# KiCad board backplane.kicad_pcb (continued)
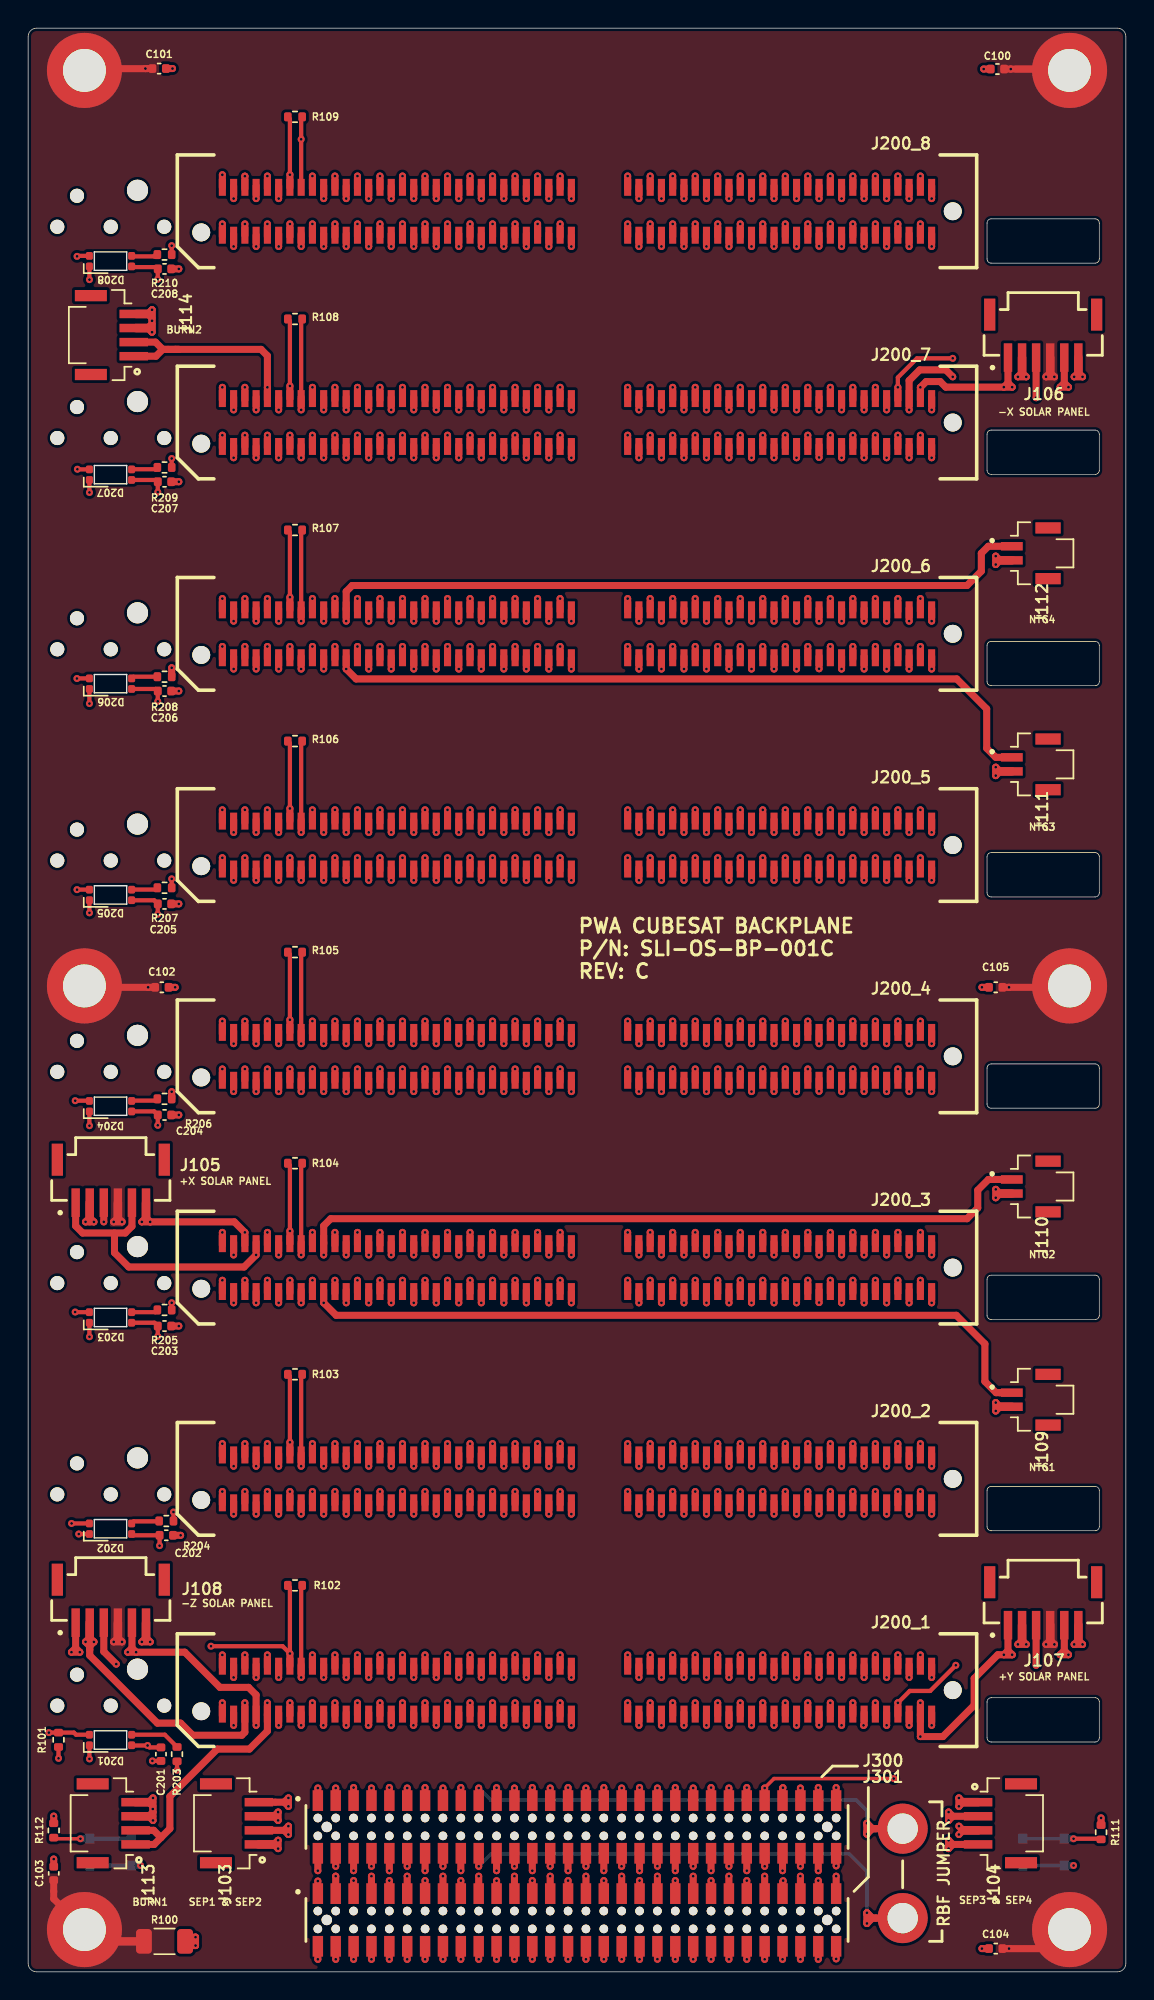
[diagram p0: board, top side]
## Routing (per net, layer and track width the routed paths; a pad name or vN(x,y) marks a point on that pad's centre or on a via; arc(x,y) is an arc through that point) (continued)
/H2-33: length 130.8
  Top w0.5: v1(46.6,17.5) 46.6,18.4 ; J301.37 v1(43.44,6.48) ; v1(46.6,92.5) 46.6,93.4 ; v1(46.6,47.5) 46.6,48.4 ; v1(46.6,62.5) 46.6,63.4 ; v1(46.6,77.5) 46.6,78.4 ; v1(46.6,107.5) 46.6,108.4 ; v1(46.6,122.5) 46.6,123.4 ; v1(46.6,32.5) 46.6,33.4
  In4.Cu w0.25: v1(43.44,6.48) 43.09,6.48 42.81,6.76 42.81,13.71 v1(46.6,17.5)
  In4.Cu w0.5: v1(46.6,17.5) 46.6,19.47 45.8,20.28 45.8,21.3 46.6,22.1 v1(46.6,32.5) 46.6,34.47 45.8,35.28 45.8,36.3 46.6,37.1 46.6,47.5 ; v1(46.6,122.5) 46.6,112.1 45.8,111.3 45.8,110.28 46.6,109.48 v1(46.6,107.5) 46.6,97.1 45.8,96.3 45.8,95.28 46.6,94.48 v1(46.6,92.5) 46.6,82.1 45.8,81.3 45.8,80.28 46.6,79.48 v1(46.6,77.5) 46.6,67.1 45.8,66.3 45.8,65.28 46.6,64.48 v1(46.6,62.5) 46.6,52.1 45.8,51.3 45.8,50.28 46.6,49.48 v1(46.6,47.5)
/H2-34: length 139.6
  Top w0.5: v1(46.6,20.9) 46.6,21.8 ; v1(46.6,50.9) 46.6,51.8 ; v1(46.6,125.9) 46.6,126.8 ; v1(46.6,80.9) 46.6,81.8 ; v1(46.6,35.9) 46.6,36.8 ; J301.38 v1(43.44,0.89) ; v1(46.6,65.9) 46.6,66.8 ; v1(46.6,110.9) 46.6,111.8 ; v1(46.6,95.9) 46.6,96.8
  In2.Cu w0.25: v1(46.6,20.9) 46.6,18.94 46.02,18.36 46.02,17.67 42.81,14.46 42.81,1.52 v1(43.44,0.89)
  In2.Cu w0.5: v1(46.6,125.9) 46.6,123.68 45.8,122.87 45.8,122.3 46.6,121.5 v1(46.6,110.9) ; 46.6,110.9 46.6,108.68 45.8,107.87 45.8,107.3 46.6,106.5 v1(46.6,95.9) 46.6,93.68 45.8,92.87 45.8,92.3 46.6,91.5 v1(46.6,80.9) 46.6,78.68 45.8,77.87 45.8,77.3 46.6,76.5 v1(46.6,65.9) 46.6,63.68 45.8,62.87 45.8,62.3 46.6,61.5 v1(46.6,50.9) 46.6,48.68 45.8,47.87 45.8,47.3 46.6,46.5 v1(46.6,35.9) 46.6,33.68 45.8,32.87 45.8,32.3 46.6,31.5 v1(46.6,20.9)
/H2-35: length 130.9
  Top w0.5: v1(48.2,17.5) 48.2,18.4 ; v1(48.2,92.5) 48.2,93.4 ; v1(48.2,47.5) 48.2,48.4 ; v1(48.2,122.5) 48.2,123.4 ; v1(48.2,32.5) 48.2,33.4 ; v1(48.2,77.5) 48.2,78.4 ; J301.39 44.72,6.79 ; v1(48.2,107.5) 48.2,108.4 ; v1(48.2,62.5) 48.2,63.4
  In4.Cu w0.25: v1(44.71,6.79) 44.36,6.79 44.08,7.07 44.08,13.38 v1(48.2,17.5)
  In4.Cu w0.5: v1(48.2,17.5) 48.2,19.47 47.4,20.28 47.4,21.3 48.2,22.1 v1(48.2,32.5) 48.2,34.47 47.4,35.28 47.4,36.3 48.2,37.1 48.2,47.5 ; v1(48.2,47.5) 48.2,49.48 47.4,50.28 47.4,51.3 48.2,52.1 v1(48.2,62.5) 48.2,64.48 47.4,65.28 47.4,66.3 48.2,67.1 v1(48.2,77.5) 48.2,79.48 47.4,80.28 47.4,81.3 48.2,82.1 v1(48.2,92.5) 48.2,94.48 47.4,95.28 47.4,96.3 48.2,97.1 v1(48.2,107.5) 48.2,109.48 47.4,110.28 47.4,111.3 48.2,112.1 v1(48.2,122.5)
/H2-36: length 139.7
  Top w0.5: v1(48.2,20.9) 48.2,21.8 ; J301.40 v1(44.72,0.9) ; v1(48.2,110.9) 48.2,111.8 ; v1(48.2,95.9) 48.2,96.8 ; v1(48.2,65.9) 48.2,66.8 ; v1(48.2,35.9) 48.2,36.8 ; v1(48.2,125.9) 48.2,126.8 ; v1(48.2,50.9) 48.2,51.8 ; v1(48.2,80.9) 48.2,81.8
  In2.Cu w0.25: v1(48.2,20.9) 48.2,18.94 47.62,18.36 47.62,16.81 44.08,13.27 44.08,1.52 44.72,0.89
  In2.Cu w0.5: v1(48.2,125.9) 48.2,123.68 47.4,122.87 47.4,122.3 48.2,121.5 v1(48.2,110.9) ; 48.2,110.9 48.2,108.68 47.4,107.87 47.4,107.3 48.2,106.5 v1(48.2,95.9) 48.2,93.68 47.4,92.87 47.4,92.3 48.2,91.5 v1(48.2,80.9) 48.2,78.68 47.4,77.87 47.4,77.3 48.2,76.5 v1(48.2,65.9) 48.2,63.68 47.4,62.87 47.4,62.3 48.2,61.5 v1(48.2,50.9) 48.2,48.68 47.4,47.87 47.4,47.3 48.2,46.5 v1(48.2,35.9) 48.2,33.68 47.4,32.87 47.4,32.3 48.2,31.5 v1(48.2,20.9)
/H2-37: length 131.2
  Top w0.5: v1(49.8,17.5) 49.8,18.4 ; J301.41 v1(45.98,6.48) ; v1(49.8,62.5) 49.8,63.4 ; v1(49.8,32.5) 49.8,33.4 ; v1(49.8,107.5) 49.8,108.4 ; v1(49.8,77.5) 49.8,78.4 ; v1(49.8,47.5) 49.8,48.4 ; v1(49.8,122.5) 49.8,123.4 ; v1(49.8,92.5) 49.8,93.4
  In4.Cu w0.25: v1(49.8,17.5) 49.55,17.5 45.35,13.3 45.35,11.05 45.35,11.05 45.35,6.76 45.63,6.48 v1(45.98,6.48)
  In4.Cu w0.5: v1(49.8,17.5) 49.8,19.47 49,20.28 49,21.3 49.8,22.1 v1(49.8,32.5) 49.8,34.47 49,35.28 49,36.3 49.8,37.1 49.8,47.5 ; v1(49.8,47.5) 49.8,49.48 49,50.28 49,51.3 49.8,52.1 v1(49.8,62.5) 49.8,64.48 49,65.28 49,66.3 49.8,67.1 v1(49.8,77.5) 49.8,79.48 49,80.28 49,81.3 49.8,82.1 v1(49.8,92.5) 49.8,94.48 49,95.28 49,96.3 49.8,97.1 v1(49.8,107.5) 49.8,109.48 49,110.28 49,111.3 49.8,112.1 v1(49.8,122.5)
/H2-38: length 139.9
  Top w0.5: v1(49.8,20.9) 49.8,21.8 ; v1(49.8,35.9) 49.8,36.8 ; v1(49.8,95.9) 49.8,96.8 ; v1(49.8,50.9) 49.8,51.8 ; J301.42 v1(45.98,0.89) ; v1(49.8,80.9) 49.8,81.8 ; v1(49.8,125.9) 49.8,126.8 ; v1(49.8,65.9) 49.8,66.8 ; v1(49.8,110.9) 49.8,111.8
  In2.Cu w0.25: v1(49.8,20.9) 49.8,18.94 49.22,18.36 49.22,17.17 45.35,13.3 45.35,1.52 v1(45.98,0.89)
  In2.Cu w0.5: v1(49.8,125.9) 49.8,123.68 49,122.87 49,122.3 49.8,121.5 v1(49.8,110.9) ; 49.8,110.9 49.8,108.68 49,107.87 49,107.3 49.8,106.5 v1(49.8,95.9) 49.8,93.68 49,92.87 49,92.3 49.8,91.5 v1(49.8,80.9) 49.8,78.68 49,77.87 49,77.3 49.8,76.5 v1(49.8,65.9) 49.8,63.68 49,62.87 49,62.3 49.8,61.5 v1(49.8,50.9) 49.8,48.68 49,47.87 49,47.3 49.8,46.5 v1(49.8,35.9) 49.8,33.68 49,32.87 49,32.3 49.8,31.5 v1(49.8,20.9)
/H2-39: length 131.5
  Top w0.5: v1(51.4,17.5) 51.4,18.4 ; v1(51.4,107.5) 51.4,108.4 ; v1(51.4,77.5) 51.4,78.4 ; v1(51.4,47.5) 51.4,48.4 ; v1(51.4,122.5) 51.4,123.4 ; v1(51.4,62.5) 51.4,63.4 ; v1(51.4,92.5) 51.4,93.4 ; J301.43 47.25,6.79 ; v1(51.4,32.5) 51.4,33.4
  In4.Cu w0.25: v1(47.25,6.79) 46.9,6.79 46.62,7.07 46.62,13.27 50.85,17.5 v1(51.4,17.5)
  In4.Cu w0.5: v1(51.4,17.5) 51.4,19.47 50.6,20.28 50.6,21.3 51.4,22.1 v1(51.4,32.5) 51.4,34.47 50.6,35.28 50.6,36.3 51.4,37.1 51.4,47.5 ; v1(51.4,47.5) 51.4,49.48 50.6,50.28 50.6,51.3 51.4,52.1 v1(51.4,62.5) 51.4,64.48 50.6,65.28 50.6,66.3 51.4,67.1 v1(51.4,77.5) 51.4,79.48 50.6,80.28 50.6,81.3 51.4,82.1 v1(51.4,92.5) 51.4,94.48 50.6,95.28 50.6,96.3 51.4,97.1 v1(51.4,107.5) 51.4,109.48 50.6,110.28 50.6,111.3 51.4,112.1 v1(51.4,122.5)
/H2-40: length 140
  Top w0.5: v1(51.4,20.9) 51.4,21.8 ; J301.44 v1(47.25,0.89) ; v1(51.4,65.9) 51.4,66.8 ; v1(51.4,50.9) 51.4,51.8 ; v1(51.4,110.9) 51.4,111.8 ; v1(51.4,95.9) 51.4,96.8 ; v1(51.4,35.9) 51.4,36.8 ; v1(51.4,80.9) 51.4,81.8 ; v1(51.4,125.9) 51.4,126.8
  In2.Cu w0.25: v1(51.4,20.9) 51.4,18.94 50.82,18.36 50.82,17.47 46.62,13.27 46.62,1.52 v1(47.25,0.89)
  In2.Cu w0.5: v1(51.4,125.9) 51.4,123.68 50.6,122.87 50.6,122.3 51.4,121.5 v1(51.4,110.9) ; 51.4,110.9 51.4,108.68 50.6,107.87 50.6,107.3 51.4,106.5 v1(51.4,95.9) 51.4,93.68 50.6,92.87 50.6,92.3 51.4,91.5 v1(51.4,80.9) 51.4,78.68 50.6,77.87 50.6,77.3 51.4,76.5 v1(51.4,65.9) 51.4,63.68 50.6,62.87 50.6,62.3 51.4,61.5 v1(51.4,50.9) 51.4,48.68 50.6,47.87 50.6,47.3 51.4,46.5 v1(51.4,35.9) 51.4,33.68 50.6,32.87 50.6,32.3 51.4,31.5 v1(51.4,20.9)
/H2-41: length 131.9
  Top w0.5: v1(53,17.5) 53,18.4 ; J301.45 v1(48.53,6.48) ; v1(53,62.5) 53,63.4 ; v1(53,32.5) 53,33.4 ; v1(53,47.5) 53,48.4 ; v1(53,122.5) 53,123.4 ; v1(53,77.5) 53,78.4 ; v1(53,92.5) 53,93.4 ; v1(53,107.5) 53,108.4
  In4.Cu w0.25: v1(48.53,6.48) 48.17,6.48 47.89,6.76 47.89,13.3 51.51,16.92 52.42,16.92 v1(53,17.5)
  In4.Cu w0.5: v1(53,17.5) 53,19.47 52.2,20.28 52.2,21.3 53,22.1 v1(53,32.5) 53,34.47 52.2,35.28 52.2,36.3 53,37.1 53,47.5 ; v1(53,122.5) 53,112.1 52.2,111.3 52.2,110.28 53,109.48 v1(53,107.5) 53,97.1 52.2,96.3 52.2,95.28 53,94.48 v1(53,92.5) 53,82.1 52.2,81.3 52.2,80.28 53,79.48 v1(53,77.5) 53,67.1 52.2,66.3 52.2,65.28 53,64.48 v1(53,62.5) 53,52.1 52.2,51.3 52.2,50.28 53,49.48 v1(53,47.5)
/H2-42: length 140.5
  Top w0.5: v1(53,20.9) 53,21.8 ; v1(53,95.9) 53,96.8 ; v1(53,35.9) 53,36.8 ; v1(53,125.9) 53,126.8 ; v1(53,50.9) 53,51.8 ; J301.46 v1(48.53,0.89) ; v1(53,80.9) 53,81.8 ; v1(53,110.9) 53,111.8 ; v1(53,65.9) 53,66.8
  In2.Cu w0.25: v1(53,20.9) 53,18.94 52.42,18.36 52.42,17.67 51.68,16.92 51.12,16.92 47.89,13.69 47.89,1.52 v1(48.53,0.89)
  In2.Cu w0.5: v1(53,125.9) 53,123.68 52.2,122.87 52.2,122.3 53,121.5 v1(53,110.9) ; 53,110.9 53,108.68 52.2,107.87 52.2,107.3 53,106.5 v1(53,95.9) 53,93.68 52.2,92.87 52.2,92.3 53,91.5 v1(53,80.9) 53,78.68 52.2,77.87 52.2,77.3 53,76.5 v1(53,65.9) 53,63.68 52.2,62.87 52.2,62.3 53,61.5 v1(53,50.9) 53,48.68 52.2,47.87 52.2,47.3 53,46.5 v1(53,35.9) 53,33.68 52.2,32.87 52.2,32.3 53,31.5 v1(53,20.9)
/H2-43: length 132.2
  Top w0.5: v1(54.6,17.5) 54.6,18.4 ; v1(54.6,107.5) 54.6,108.4 ; v1(54.6,62.5) 54.6,63.4 ; v1(54.6,32.5) 54.6,33.4 ; v1(54.6,47.5) 54.6,48.4 ; v1(54.6,122.5) 54.6,123.4 ; v1(54.6,77.5) 54.6,78.4 ; v1(54.6,92.5) 54.6,93.4 ; J301.47 49.8,6.79
  In4.Cu w0.25: v1(54.6,17.5) 53.57,16.47 52.36,16.47 49.16,13.27 49.16,7.07 49.44,6.79 v1(49.79,6.79)
  In4.Cu w0.5: v1(54.6,17.5) 54.6,19.47 53.8,20.28 53.8,21.3 54.6,22.1 v1(54.6,32.5) 54.6,34.47 53.8,35.28 53.8,36.3 54.6,37.1 54.6,47.5 ; v1(54.6,122.5) 54.6,112.1 53.8,111.3 53.8,110.28 54.6,109.48 v1(54.6,107.5) 54.6,97.1 53.8,96.3 53.8,95.28 54.6,94.48 v1(54.6,92.5) 54.6,82.1 53.8,81.3 53.8,80.28 54.6,79.48 v1(54.6,77.5) 54.6,67.1 53.8,66.3 53.8,65.28 54.6,64.48 v1(54.6,62.5) 54.6,52.1 53.8,51.3 53.8,50.28 54.6,49.48 v1(54.6,47.5)
/H2-44: length 140.5
  Top w0.5: v1(54.6,20.9) 54.6,21.8 ; J301.48 v1(49.8,0.89) ; v1(54.6,125.9) 54.6,126.8 ; v1(54.6,80.9) 54.6,81.8 ; v1(54.6,95.9) 54.6,96.8 ; v1(54.6,50.9) 54.6,51.8 ; v1(54.6,65.9) 54.6,66.8 ; v1(54.6,35.9) 54.6,36.8 ; v1(54.6,110.9) 54.6,111.8
  In2.Cu w0.25: v1(54.6,20.9) 54.6,18.94 54.02,18.36 54.02,17.67 53.28,16.92 52.81,16.92 49.16,13.27 49.16,1.52 v1(49.8,0.89)
  In2.Cu w0.5: v1(54.6,125.9) 54.6,123.68 53.8,122.87 53.8,122.3 54.6,121.5 v1(54.6,110.9) ; 54.6,110.9 54.6,108.68 53.8,107.87 53.8,107.3 54.6,106.5 v1(54.6,95.9) 54.6,93.68 53.8,92.87 53.8,92.3 54.6,91.5 v1(54.6,80.9) 54.6,78.68 53.8,77.87 53.8,77.3 54.6,76.5 v1(54.6,65.9) 54.6,63.68 53.8,62.87 53.8,62.3 54.6,61.5 v1(54.6,50.9) 54.6,48.68 53.8,47.87 53.8,47.3 54.6,46.5 v1(54.6,35.9) 54.6,33.68 53.8,32.87 53.8,32.3 54.6,31.5 v1(54.6,20.9)
/H2-45: length 132.4
  Top w0.5: v1(56.2,122.52) 56.2,123.4 ; v1(56.2,17.52) 56.2,18.4 ; J301.49 v1(51.06,6.48) ; v1(56.2,47.52) 56.2,48.4 ; v1(56.2,92.52) 56.2,93.4 ; v1(56.2,32.52) 56.2,33.4 ; v1(56.2,77.52) 56.2,78.4 ; v1(56.2,107.52) 56.2,108.4 ; v1(56.2,62.52) 56.2,63.4
  In4.Cu w0.25: v1(56.2,17.52) 54.7,16.02 53.14,16.02 50.43,13.3 50.43,6.76 50.71,6.48 v1(51.06,6.48)
  In4.Cu w0.5: 56.2,17.5 56.2,19.47 55.4,20.28 55.4,21.3 56.2,22.1 56.2,34.47 55.4,35.28 55.4,36.3 56.2,37.1 56.2,47.5 ; 56.2,47.5 56.2,49.48 55.4,50.28 55.4,51.3 56.2,52.1 56.2,64.48 55.4,65.28 55.4,66.3 56.2,67.1 56.2,79.48 55.4,80.28 55.4,81.3 56.2,82.1 56.2,94.48 55.4,95.28 55.4,96.3 56.2,97.1 56.2,109.48 55.4,110.28 55.4,111.3 56.2,112.1 56.2,122.5
/H2-46: length 140.8
  Top w0.5: v1(56.2,20.9) 56.2,21.8 ; v1(56.2,95.9) 56.2,96.8 ; v1(56.2,65.9) 56.2,66.8 ; v1(56.2,50.9) 56.2,51.8 ; J301.50 v1(51.06,0.89) ; v1(56.2,35.9) 56.2,36.8 ; v1(56.2,125.9) 56.2,126.8 ; 56.2,110.9 56.2,111.8 ; v1(56.2,80.9) 56.2,81.8
  In2.Cu w0.25: v1(56.2,20.9) 56.2,19.08 55.54,18.42 55.54,17.62 54.84,16.92 54.09,16.92 50.43,13.27 50.43,1.52 v1(51.06,0.89)
  In2.Cu w0.5: v1(56.2,110.9) 56.2,108.68 55.4,107.87 55.4,107.3 56.2,106.5 v1(56.2,95.9) 56.2,93.68 55.4,92.87 55.4,92.3 56.2,91.5 v1(56.2,80.9) 56.2,78.68 55.4,77.87 55.4,77.3 56.2,76.5 v1(56.2,65.9) 56.2,63.68 55.4,62.87 55.4,62.3 56.2,61.5 v1(56.2,50.9) 56.2,48.68 55.4,47.88 55.4,47.3 56.2,46.5 56.2,35.9 ; v1(56.2,35.9) 56.2,33.68 55.4,32.87 55.4,32.3 56.2,31.5 v1(56.2,20.9) ; 56.2,110.9 56.2,121.5 55.4,122.3 55.4,122.87 56.2,123.68 v1(56.2,125.9)
/H2-49: length 133.1
  Top w0.5: v1(59.4,32.5) 59.4,33.4 ; v1(59.36,17.5) 59.4,17.54 59.4,18.4 ; v1(59.4,107.5) 59.4,108.4 ; v1(59.4,122.5) 59.4,123.4 ; v1(59.4,62.5) 59.4,63.4 ; J301.53 53.61,6.39 53.65,6.43 ; v1(59.4,92.5) 59.4,93.4 ; v1(59.4,47.5) 59.4,48.4 ; v1(59.4,77.5) 59.4,78.4
  In4.Cu w0.25: 53.61,6.48 53.25,6.48 52.97,6.76 52.97,13.26 54.81,15.11 56.97,15.11 v1(59.36,17.5)
  In4.Cu w0.5: 59.4,47.5 59.4,37.1 58.6,36.3 58.6,35.28 59.4,34.47 v1(59.4,32.5) 59.4,22.1 58.6,21.3 58.6,20.28 59.36,19.51 v1(59.36,17.5) ; v1(59.4,47.5) 59.4,49.48 58.6,50.28 58.6,51.3 59.4,52.1 v1(59.4,62.5) 59.4,64.48 58.6,65.28 58.6,66.3 59.4,67.1 v1(59.4,77.5) 59.4,79.48 58.6,80.28 58.6,81.3 59.4,82.1 v1(59.4,92.5) 59.4,94.48 58.6,95.28 58.6,96.3 59.4,97.1 v1(59.4,107.5) 59.4,109.48 58.6,110.28 58.6,111.3 59.4,112.1 v1(59.4,122.5)
  vias: v1(53.65,6.48)
/H2-50: length 141.5
  Top w0.5: v1(59.4,20.9) 59.4,21.8 ; J301.54 v1(53.61,0.89) ; v1(59.4,110.9) 59.4,111.8 ; v1(59.4,65.9) 59.4,66.8 ; v1(59.4,80.9) 59.4,81.8 ; v1(59.4,95.9) 59.4,96.8 ; v1(59.4,35.9) 59.4,36.8 ; v1(59.4,125.9) 59.4,126.8 ; v1(59.4,50.9) 59.4,51.8
  In2.Cu w0.25: v1(59.4,20.9) 59.4,18.94 58.78,18.32 58.78,17.63 57.17,16.02 55.72,16.02 52.97,13.27 52.97,1.52 v1(53.61,0.89)
  In2.Cu w0.5: v1(59.4,125.9) 59.4,123.68 58.6,122.87 58.6,122.3 59.4,121.5 v1(59.4,110.9) ; 59.4,110.9 59.4,108.68 58.6,107.87 58.6,107.3 59.4,106.5 v1(59.4,95.9) 59.4,93.68 58.6,92.87 58.6,92.3 59.4,91.5 v1(59.4,80.9) 59.4,78.68 58.6,77.87 58.6,77.3 59.4,76.5 v1(59.4,65.9) 59.4,63.68 58.6,62.87 58.6,62.3 59.4,61.5 v1(59.4,50.9) 59.4,48.68 58.6,47.87 58.6,47.3 59.4,46.5 v1(59.4,35.9) 59.4,33.68 58.6,32.87 58.6,32.3 59.4,31.5 v1(59.4,20.9)
/LED_PWR: length 287.4
  Top w0.3: 9.08,121.04 7.4,121.04 ; v1(9.21,105.06) C207.1 ; 9.08,105.92 7.36,105.92 ; v1(9.21,75.09) C205.1 8.96,76.08 7.36,76.08 ; v1(9.21,60.1) C204.1 8.96,61.09 7.36,61.09 ; 7.35,91.08 9.06,91.08 ; 7.37,16.07 v1(8.48,16.07) 8.62,15.94 C201.1 ; v1(9.21,45.12) C203.1 8.98,46.09 7.35,46.09 ; v1(9.34,30.26) C202.1 7.44,30.99 ; v1(9.21,120.18) C208.1 ; v1(9.21,90.2) C206.1
  Top w0.5: v1(19.4,122.5) 19.4,123.4 ; v1(19.4,17.5) 19.4,18.4 ; v1(19.4,62.5) 19.4,63.4 ; v1(19.4,107.5) 19.4,108.4 ; v1(19.4,92.5) 19.4,93.4 ; v1(19.4,47.5) 19.4,48.4 ; v1(19.4,77.5) 19.4,78.4 ; v1(19.4,32.5) 19.4,33.4 ; J301.7 24.39,6.79
  In1.Cu w0.3: v1(19.4,122.5) 19.4,128.34 18.2,129.55 14.39,129.55 10.96,126.12 10.96,122.43 9.21,120.68 v1(9.21,120.18) 9.56,119.82 9.56,114.18 10.9,112.84 10.9,107.13 9.21,105.44 v1(9.21,105.06) 9.21,96.24 10.96,94.49 10.96,92.04 9.21,90.29 v1(9.21,90.2) 9.21,81.26 10.96,79.51 10.96,77.22 9.21,75.47 v1(9.21,75.09) 11.05,73.25 11.05,62.04 9.21,60.2 v1(9.21,60.1) 9.21,54.21 10.96,52.46 10.96,46.96 10.46,46.46 10.46,46.46 9.21,45.21 v1(9.21,45.12) 9.21,45.09 10.96,43.34 10.96,31.97 9.34,30.35 v1(9.34,30.26) 9.31,30.23 9.31,20.71 8.42,19.82 8.42,16.13 v1(8.48,16.07)
  In4.Cu w0.25: v1(24.39,6.79) 24.04,6.79 23.76,7.07 23.76,13.49 19.75,17.5 v1(19.4,17.5)
  In4.Cu w0.5: v1(19.4,17.5) 19.4,19.47 18.6,20.28 18.6,21.3 19.4,22.1 v1(19.4,32.5) 19.4,34.47 18.6,35.28 18.6,36.3 19.4,37.1 19.4,47.5 ; v1(19.4,122.5) 19.4,112.1 18.6,111.3 18.6,110.28 19.4,109.48 v1(19.4,107.5) 19.4,97.1 18.6,96.3 18.6,95.28 19.4,94.48 v1(19.4,92.5) 19.4,82.1 18.6,81.3 18.6,80.28 19.4,79.48 v1(19.4,77.5) 19.4,67.1 18.6,66.3 18.6,65.28 19.4,64.48 v1(19.4,62.5) 19.4,52.1 18.6,51.3 18.6,50.28 19.4,49.48 v1(19.4,47.5)
/NTC1: length 184
  Top w0.5: v1(21,122.5) 21,123.4 ; v1(21,32.5) 21,33.4 ; J301.9 v1(25.67,6.48) ; v1(21,92.5) 21,93.4 ; 21,48.4 v1(21,47.5) 21.89,46.61 65.95,46.61 67.98,44.58 67.98,41.91 68.78,41.12 69.05,41.12 J109.1 ; v1(21,77.5) 21,78.4 ; v1(20.97,17.5) 21,17.53 21,18.4 ; v1(21,62.5) 21,63.4 ; v1(21,107.5) 21,108.4
  In4.Cu w0.25: v1(20.97,17.5) 25.03,13.45 25.03,6.76 25.31,6.48 v1(25.67,6.48)
  In4.Cu w0.5: 21,47.5 21,37.1 20.2,36.3 20.2,35.28 21,34.47 v1(21,32.5) 21,22.1 20.2,21.3 20.2,20.28 20.97,19.5 v1(20.97,17.5) ; v1(21,47.5) 21,49.48 20.2,50.28 20.2,51.3 21,52.1 v1(21,62.5) 21,64.48 20.2,65.28 20.2,66.3 21,67.1 v1(21,77.5) 21,79.48 20.2,80.28 20.2,81.3 21,82.1 v1(21,92.5) 21,94.48 20.2,95.28 20.2,96.3 21,97.1 v1(21,107.5) 21,109.48 20.2,110.28 20.2,111.3 21,112.1 v1(21,122.5)
/NTC2: length 192
  Top w0.5: v1(21,125.9) 21,126.8 ; v1(21,20.9) 21,21.8 ; J200_3.20 21,52.97 21.5,53.47 66.71,53.47 67.48,54.23 67.48,55.5 68.24,56.26 J110.1 ; v1(21,65.9) 21,66.8 ; v1(21,50.9) 21,51.8 ; v1(21,35.9) 21,36.8 ; J301.10 v1(25.67,0.89) ; v1(21,80.9) 21,81.8 ; v1(21,95.9) 21,96.8 ; v1(21,110.9) 21,111.8
  In2.Cu w0.25: v1(25.67,0.89) 25.03,1.52 25.03,13.27 21.55,16.75 21.55,18.39 21,18.94 v1(21,20.9)
  In2.Cu w0.5: 21,110.9 21,108.68 20.2,107.87 20.2,107.3 21,106.5 v1(21,95.9) 21,93.68 20.2,92.87 20.2,92.3 21,91.5 v1(21,80.9) 21,78.68 20.2,77.87 20.2,77.3 21,76.5 v1(21,65.9) 21,63.68 20.2,62.87 20.2,62.3 21,61.5 v1(21,50.9) 21,48.68 20.2,47.87 20.2,47.3 21,46.5 v1(21,35.9) 21,33.68 20.2,32.87 20.2,32.3 21,31.5 v1(21,20.9) ; v1(21,110.9) 21,121.5 20.2,122.3 20.2,122.87 21,123.68 v1(21,125.9)
/NTC3: length 182.3
  Top w0.5: v1(22.6,122.5) 22.6,123.4 ; v1(22.6,17.5) 22.6,18.4 ; v1(22.6,107.5) 22.6,108.4 ; J301.11 26.94,6.79 ; v1(22.6,47.5) 22.6,48.4 ; v1(22.6,77.5) 22.6,78.4 ; v1(22.6,32.5) 22.6,33.4 ; 22.6,93.4 v1(22.6,92.5) 23.31,91.8 65.98,91.8 68.11,89.67 68.11,86.87 68.75,86.23 J111.1 ; v1(22.6,62.5) 22.6,63.4
  In4.Cu w0.25: v1(22.6,17.5) 22.6,17.42 26.3,13.72 26.3,7.07 26.58,6.79 v1(26.93,6.79)
  In4.Cu w0.5: v1(22.6,17.5) 22.6,19.47 21.8,20.28 21.8,21.3 22.6,22.1 v1(22.6,32.5) 22.6,34.47 21.8,35.28 21.8,36.3 22.6,37.1 22.6,47.5 ; v1(22.6,47.5) 22.6,49.48 21.8,50.28 21.8,51.3 22.6,52.1 v1(22.6,62.5) 22.6,64.48 21.8,65.28 21.8,66.3 22.6,67.1 v1(22.6,77.5) 22.6,79.48 21.8,80.28 21.8,81.3 22.6,82.1 v1(22.6,92.5) 22.6,94.48 21.8,95.28 21.8,96.3 22.6,97.1 v1(22.6,107.5) 22.6,109.48 21.8,110.28 21.8,111.3 22.6,112.1 v1(22.6,122.5)
/NTC4: length 190.2
  Top w0.5: v1(22.6,125.9) 22.6,126.8 ; v1(22.6,20.9) 22.6,21.8 ; J301.12 v1(26.94,0.89) ; v1(22.6,35.9) 22.6,36.8 ; v1(22.6,110.9) 22.6,111.8 ; v1(22.6,80.9) 22.6,81.8 ; v1(22.6,95.9) 22.6,96.8 ; J112.1 68.23,101.22 67.73,100.72 67.73,99.45 66.71,98.43 23.03,98.43 22.6,98 J200_6.24 ; v1(22.6,50.9) 22.6,51.8 ; v1(22.6,65.9) 22.6,66.8